# Altium PCB OIS_Anakart.PcbDoc (part 1 of 3) (continued)
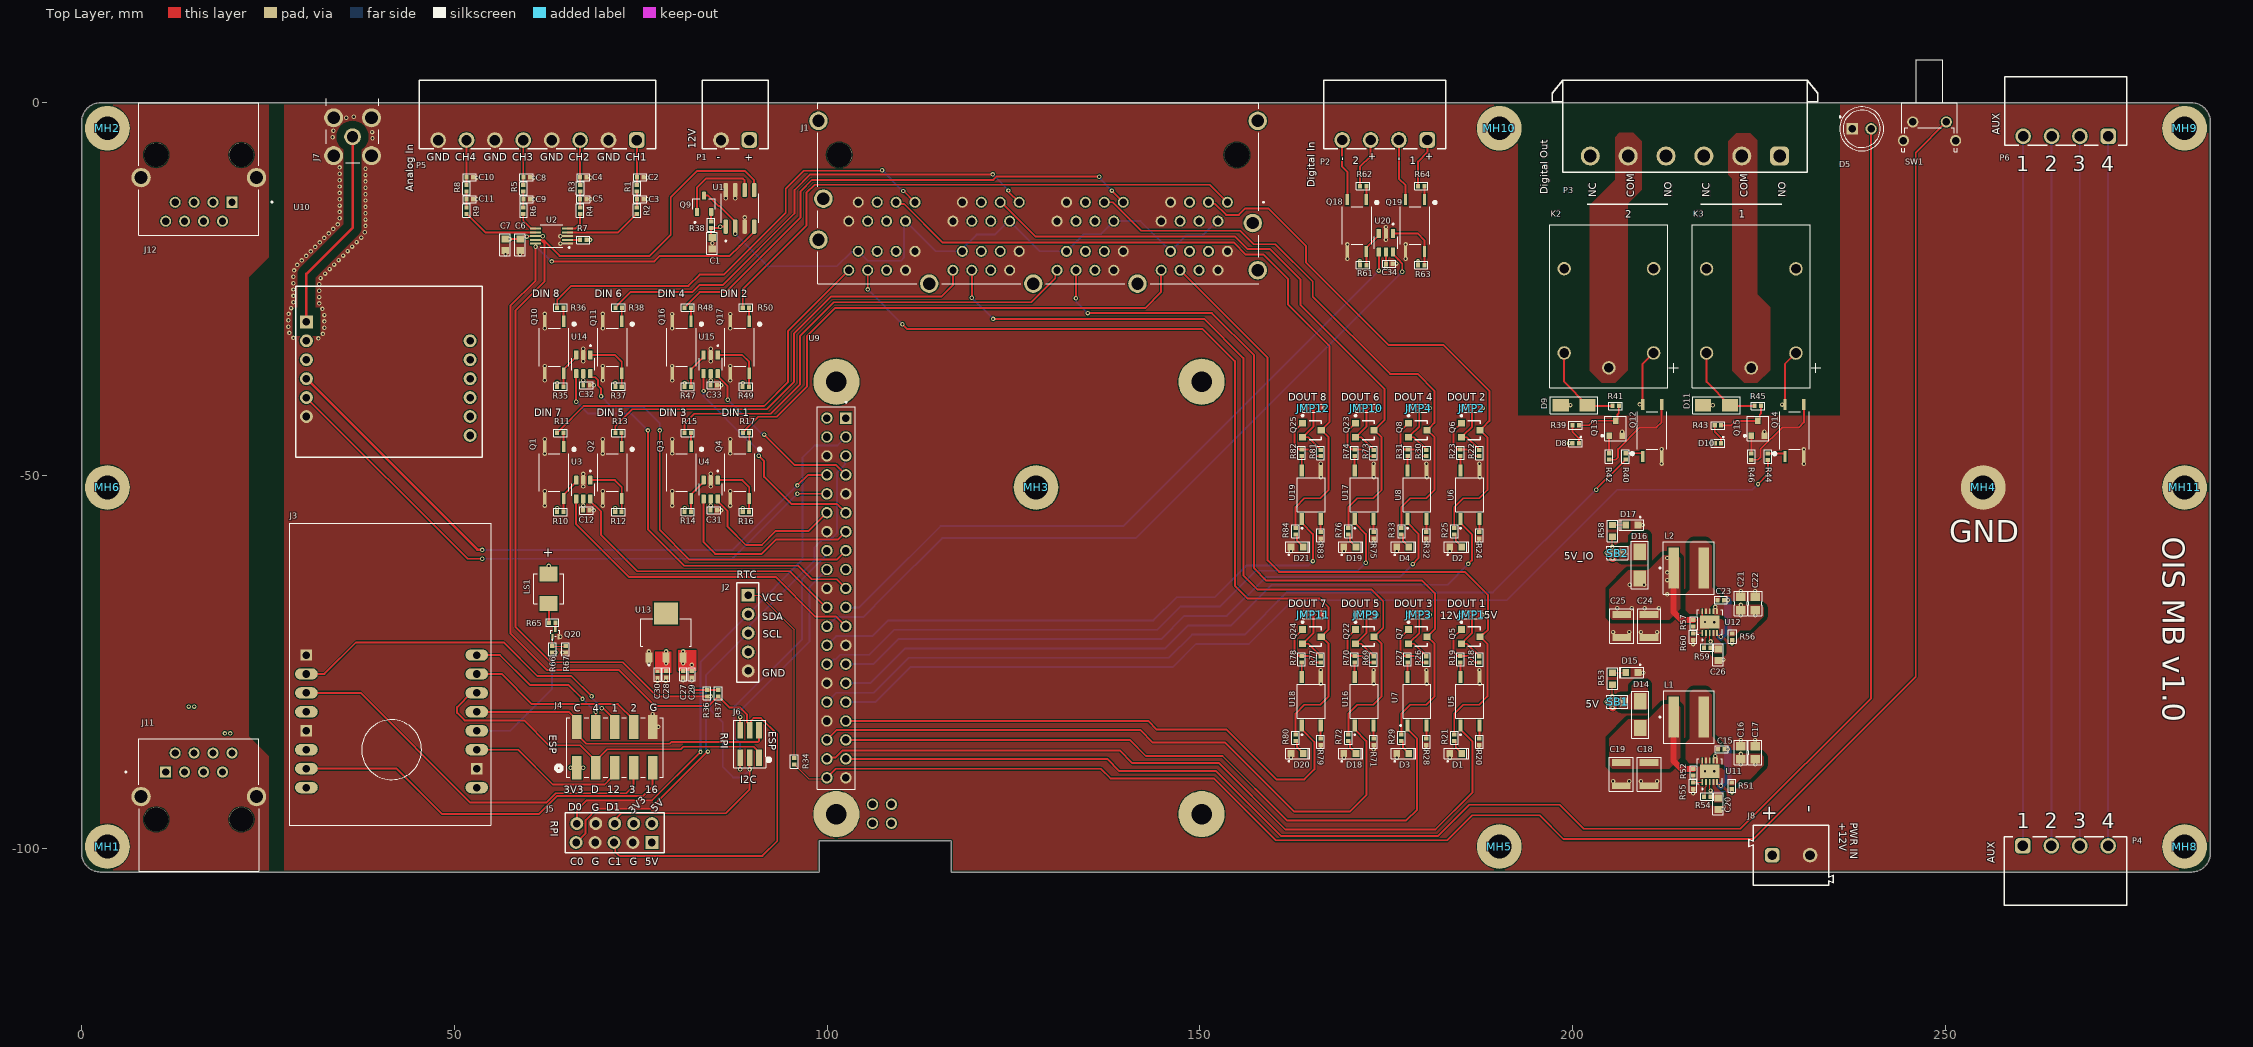
[diagram p0: Top Layer view]
## Components (designator, comment, footprint, x,y, rotation, side; value= is the part's Value field where it differs from the comment)
C1 "1uF" C0603 84.611,-18.824 r90 top (schematic designator C19)
C2 "0.1uF" C0402 74.922,-9.995 r180 top (schematic designator C20)
C3 "0.1uF" C0402 74.922,-12.934 r180 top (schematic designator C21)
C4 "0.1uF" C0402 67.302,-9.995 r180 top (schematic designator C22)
C5 "0.1uF" C0402 67.302,-12.934 r180 top (schematic designator C23)
C6 "1uF" C0603 58.838,-19.048 r90 top (schematic designator C24)
C7 "10uF" C0603 56.808,-19.048 r90 top (schematic designator C25)
C8 "0.1uF" C0402 59.682,-9.995 r180 top (schematic designator C26)
C9 "0.1uF" C0402 59.682,-12.934 r180 top (schematic designator C27)
C10 "0.1uF" C0402 52.062,-9.995 r180 top (schematic designator C28)
C11 "0.1uF" C0402 52.062,-12.934 r180 top (schematic designator C29)
C12 "0.1uF" C0402 67.718,-54.685 r180 top (schematic designator C18)
C15 "0.1uF" C0402 219.991,-86.735 r0 top (schematic designator C3)
C16 "10uF" C0805 222.596,-87.184 r90 top (schematic designator C1)
C17 "10uF" C0805 224.498,-87.184 r90 top (schematic designator C2)
C18 "22uF" C1210 210.272,-90.067 r90 top (schematic designator C4)
C19 "22uF" C1210 206.545,-90.067 r90 top (schematic designator C5)
C20 "1uF" C0603 219.57,-94.058 r90 top (schematic designator C6)
C21 "10uF" C0805 222.596,-67.184 r90 top (schematic designator C7)
C22 "10uF" C0805 224.498,-67.184 r90 top (schematic designator C8)
C23 "0.1uF" C0402 219.908,-66.712 r0 top (schematic designator C9)
C24 "22uF" C1210 210.264,-70.195 r90 top (schematic designator C10)
C25 "22uF" C1210 206.609,-70.195 r90 top (schematic designator C11)
C26 "1uF" C0603 219.57,-74.058 r90 top (schematic designator C12)
C27 "1uF" C0402 80.685,-76.671 r90 top (schematic designator C13)
C28 "1uF" C0402 78.395,-76.686 r90 top (schematic designator C14)
C29 "4.7uF" C0402 81.85,-76.658 r90 top (schematic designator C15)
C30 "4.7uF" C0402 77.249,-76.698 r90 top (schematic designator C16)
C31 "0.1uF" C0402 84.821,-54.678 r180 top (schematic designator C18)
C32 "0.1uF" C0402 67.726,-37.882 r180 top (schematic designator C18)
C33 "0.1uF" C0402 84.817,-37.888 r180 top (schematic designator C18)
C34 "0.1uF" C0402 175.415,-21.572 r180 top (schematic designator C18)
D1 "SML-LX0603GW-TR" L0603 184.349,-87.281 r180 top (schematic designator D8)
D2 "SML-LX0603GW-TR" L0603 184.349,-59.58 r180 top (schematic designator D8)
D3 "SML-LX0603GW-TR" L0603 177.249,-87.281 r180 top (schematic designator D8)
D4 "SML-LX0603GW-TR" L0603 177.249,-59.579 r180 top (schematic designator D8)
D5 "WP7113GD" LED_WP7113GD 238.809,-3.487 r0 top (schematic designator D1)
D8 "Comment" L0402_A 200.424,-45.656 r0 top (schematic designator D6)
D9 "TSSA3U60 R3G" "TAIWAN_TSSA3U60 R3G" 200.224,-40.556 r0 top (schematic designator D7)
D10 "Comment" L0402_A 219.524,-45.668 r0 top (schematic designator D6)
D11 "TSSA3U60 R3G" "TAIWAN_TSSA3U60 R3G" 219.324,-40.568 r0 top (schematic designator D7)
D14 "TSSA3U60 R3G" "TAIWAN_TSSA3U60 R3G" 209.081,-82.09 r270 top (schematic designator D2)
D15 "SML-LX0603GW-TR" L0603 207.984,-76.45 r0 top (schematic designator D3)
D16 "TSSA3U60 R3G" "TAIWAN_TSSA3U60 R3G" 209.016,-62.02 r270 top (schematic designator D4)
D17 "SML-LX0603GW-TR" L0603 207.984,-56.64 r0 top (schematic designator D5)
D18 "SML-LX0603GW-TR" L0603 170.149,-87.281 r180 top (schematic designator D8)
D19 "SML-LX0603GW-TR" L0603 170.149,-59.579 r180 top (schematic designator D8)
D20 "SML-LX0603GW-TR" L0603 163.049,-87.281 r180 top (schematic designator D8)
D21 "SML-LX0603GW-TR" L0603 163.049,-59.579 r180 top (schematic designator D8)
J1 "SS-73100-073" BEL_SS-73100-073 157.891,-24.268 r180 top (schematic designator J8)
J2 "Comment" 2.54_5P 89.41,-66.061 r270 top (schematic designator J9)
J3 "ESP32-CAM" ESP32-CAM 41.575,-81.708 r0 top (schematic designator J4)
J4 "54202-T0805LF" 10P_2.54MM_SMD 71.512,-86.469 r0 top (schematic designator J5)
J5 "Comment" 2.54_5x2P 76.492,-99.24 r180 top (schematic designator J1)
J6 "GRPB032VWQS-RC" CONN_6P_1.27MM 88.336,-87.859 r180 top (schematic designator J2)
J7 "RF2-49B-T-00-50-G-HDW" ADAMTECH_RF2-49B-T-00-50-G-HDW 36.337,-4.548 r180 top (schematic designator J3)
J8 "Comment" 691213510002 229.34,-100.941 r0 top (schematic designator J10)
J11 "SS-6488S-A-PG4-BA" SS-6488S-A-PG4-BA 15.711,-96.135 r0 top
J12 "SS-6488S-A-PG4-BA" SS-6488S-A-PG4-BA 15.711,-6.99 r180 top
JMP1 "Jumper" SB0402_3PAD 186.117,-68.681 r0 top (schematic designator JMP2)
JMP2 "Jumper" SB0402_3PAD 186.117,-40.98 r0 top
JMP3 "Jumper" SB0402_3PAD 179.017,-68.681 r0 top (schematic designator JMP2)
JMP4 "Jumper" SB0402_3PAD 179.017,-40.979 r0 top (schematic designator JMP2)
JMP9 "Jumper" SB0402_3PAD 171.917,-68.681 r0 top (schematic designator JMP2)
JMP10 "Jumper" SB0402_3PAD 171.917,-40.979 r0 top (schematic designator JMP2)
JMP11 "Jumper" SB0402_3PAD 164.817,-68.681 r0 top (schematic designator JMP2)
JMP12 "Jumper" SB0402_3PAD 164.817,-40.979 r0 top (schematic designator JMP2)
K2 "G5LE-1-CF DC12" "RELAY_G5LE-1 DC5_OMR" 204.888,-19.056 r180 top (schematic designator K1)
K3 "G5LE-1-CF DC12" "RELAY_G5LE-1 DC5_OMR" 223.988,-19.068 r180 top (schematic designator K1)
L1 "XAL6060-682MEB" CC_XAL6060-682MEB 215.593,-82.409 r0 top
L2 "XAL6060-682MEB" CC_XAL6060-682MEB 215.593,-62.409 r0 top
LS1 "CMT-4023S-SMT-TR" Buzzer 62.647,-65.198 r90 top
MH1 "Comment" m3_3.2x6#1 3.47,-99.78 r0 top
MH2 "Comment" m3_3.2x6#1 3.47,-3.42 r0 top
MH3 "Comment" m3_3.2x6#1 128.063,-51.6 r0 top
MH4 "Comment" m3_3.2x6#1 255.13,-51.6 r0 top
MH5 "Comment" m3_3.2x6#1 190.22,-99.78 r0 top
MH6 "Comment" m3_3.2x6#1 3.47,-51.6 r0 top
MH8 "Comment" m3_3.2x6#1 282.156,-99.78 r0 top
MH9 "Comment" m3_3.2x6#2 282.156,-14.42 r0 top
MH10 "Comment" m3_3.2x6#1 190.22,-3.42 r0 top
MH11 "Comment" m3_3.2x6#2 282.156,-62.6 r0 top
P1 "691322310002" 691322310002 87.675,-1.595 r180 top
P2 "691322310004" 691322310004 174.821,-1.588 r180 top
P3 "691305540006" 691305540006 215.097,-3.138 r180 top
P4 "691322310004" 691322310004 266.154,-103.084 r0 top
P5 "691322310008" 691322310008 61.15,-1.595 r180 top
P6 "691322310004" 691322310004 266.186,-1.084 r180 top
Q1 "TLP188(TPL,E" OPTOCOUPLER 63.381,-49.585 r270 top (schematic designator Q4)
Q2 "TLP188(TPL,E(TPL,E" OPTOCOUPLER 71.181,-49.585 r270 top (schematic designator Q5)
Q3 "TLP188(TPL,E" OPTOCOUPLER 80.484,-49.578 r270 top (schematic designator Q4)
Q4 "TLP188(TPL,E(TPL,E" OPTOCOUPLER 88.284,-49.578 r270 top (schematic designator Q5)
Q5 "Comment" SOT-23-3 186.349,-71.623 r270 top (schematic designator Q6)
Q6 "Comment" SOT-23-3 186.349,-43.923 r270 top
Q7 "Comment" SOT-23-3 179.249,-71.623 r270 top (schematic designator Q6)
Q8 "Comment" SOT-23-3 179.249,-43.921 r270 top (schematic designator Q6)
Q9 "AO3415A" SOT-23#1 83.503,-13.546 r90 top (schematic designator Q7)
Q10 "TLP188(TPL,E" OPTOCOUPLER 63.389,-32.782 r270 top (schematic designator Q4)
Q11 "TLP188(TPL,E(TPL,E" OPTOCOUPLER 71.189,-32.782 r270 top (schematic designator Q5)
Q12 "TLP188(TPL,E" OPTOCOUPLER 210.688,-43.956 r90 top (schematic designator Q2)
Q13 "MMBT4401-7-F" SOT-23#2 205.788,-43.656 r90 top (schematic designator Q3)
Q14 "TLP188(TPL,E" OPTOCOUPLER 229.788,-43.968 r90 top (schematic designator Q2)
Q15 "MMBT4401-7-F" SOT-23#2 224.888,-43.668 r90 top (schematic designator Q3)
Q16 "TLP188(TPL,E" OPTOCOUPLER 80.48,-32.788 r270 top (schematic designator Q4)
Q17 "TLP188(TPL,E(TPL,E" OPTOCOUPLER 88.28,-32.788 r270 top (schematic designator Q5)
Q18 "TLP188(TPL,E" OPTOCOUPLER 171.078,-16.472 r270 top (schematic designator Q4)
Q19 "TLP188(TPL,E(TPL,E" OPTOCOUPLER 178.878,-16.472 r270 top (schematic designator Q5)
Q20 "NTK3043NT1G" SOT-723 63.545,-71.133 r0 top (schematic designator Q15)
Q22 "Comment" SOT-23-3 172.149,-71.623 r270 top (schematic designator Q6)
Q23 "Comment" SOT-23-3 172.149,-43.922 r270 top (schematic designator Q6)
Q24 "Comment" SOT-23-3 165.049,-71.623 r270 top (schematic designator Q6)
Q25 "Comment" SOT-23-3 165.049,-43.921 r270 top (schematic designator Q6)
R1 "200R" R0402 74.485,-11.463 r90 top (schematic designator R27)
R2 "200R" R0402 74.485,-14.454 r90 top (schematic designator R28)
R3 "200R" R0402 66.865,-11.463 r90 top (schematic designator R29)
R4 "200R" R0402 66.865,-14.454 r90 top (schematic designator R30)
R5 "200R" R0402 59.245,-11.463 r90 top (schematic designator R31)
R6 "200R" R0402 59.245,-14.454 r90 top (schematic designator R32)
R7 "200R" R0402 67.297,-18.399 r180 top (schematic designator R33)
R8 "200R" R0402 51.625,-11.463 r90 top (schematic designator R34)
R9 "200R" R0402 51.625,-14.454 r90 top (schematic designator R35)
R10 "1K" R0402 64.219,-54.885 r180 top (schematic designator R19)
R11 "1K" R0402 64.219,-44.285 r180 top (schematic designator R20)
R12 "1K" R0402 72.014,-54.885 r180 top (schematic designator R21)
R13 "1K" R0402 72.019,-44.285 r180 top (schematic designator R22)
R14 "1K" R0402 81.322,-54.878 r180 top (schematic designator R19)
R15 "1K" R0402 81.322,-44.278 r180 top (schematic designator R20)
R16 "1K" R0402 89.118,-54.878 r180 top (schematic designator R21)
R17 "1K" R0402 89.122,-44.278 r180 top (schematic designator R22)
R18 "1K" R0402 187.519,-74.681 r270 top (schematic designator R23)
R19 "1K" R0402 184.979,-74.649 r90 top (schematic designator R24)
R20 "1K" R0402 187.519,-85.713 r90 top (schematic designator R25)
R21 "4.7K" R0402 184.149,-85.181 r90 top (schematic designator R26)
R22 "1K" R0402 187.519,-46.98 r270 top (schematic designator R23)
R23 "1K" R0402 184.979,-46.948 r90 top (schematic designator R24)
R24 "1K" R0402 187.519,-58.012 r90 top (schematic designator R25)
R25 "4.7K" R0402 184.149,-57.48 r90 top (schematic designator R26)
R26 "1K" R0402 180.419,-74.681 r270 top (schematic designator R23)
R27 "1K" R0402 177.879,-74.649 r90 top (schematic designator R24)
R28 "1K" R0402 180.419,-85.713 r90 top (schematic designator R25)
R29 "4.7K" R0402 177.049,-85.181 r90 top (schematic designator R26)
R30 "1K" R0402 180.419,-46.979 r270 top (schematic designator R23)
R31 "1K" R0402 177.879,-46.947 r90 top (schematic designator R24)
R32 "1K" R0402 180.419,-58.011 r90 top (schematic designator R25)
R33 "4.7K" R0402 177.049,-57.479 r90 top (schematic designator R26)
R34 "1K" R0402 95.6,-88.36 r270 top (schematic designator R1)
R35 "1K" R0402 64.227,-38.082 r180 top (schematic designator R19)
R36 "1K" R0402 83.9,-79.2 r270 top
R36 "1K" R0402 64.227,-27.482 r180 top (schematic designator R20)
R37 "1K" R0402 85.4,-79.2 r270 top
R37 "1K" R0402 72.022,-38.082 r180 top (schematic designator R21)
R38 "1K" R0402 84.453,-16.368 r90 top
R38 "1K" R0402 72.027,-27.482 r180 top (schematic designator R22)
R39 "1K" R0402 200.424,-43.256 r180 top (schematic designator R15)
R40 "10K" R0402 207.124,-47.448 r90 top (schematic designator R16)
R41 "1K" R0402 205.788,-40.656 r180 top (schematic designator R17)
R42 "1K" R0402 204.913,-47.448 r90 top (schematic designator R18)
R43 "1K" R0402 219.524,-43.268 r180 top (schematic designator R15)
R44 "10K" R0402 226.224,-47.46 r90 top (schematic designator R16)
R45 "1K" R0402 224.888,-40.668 r180 top (schematic designator R17)
R46 "1K" R0402 224.013,-47.46 r90 top (schematic designator R18)
R47 "1K" R0402 81.318,-38.088 r180 top (schematic designator R19)
R48 "1K" R0402 81.318,-27.488 r180 top (schematic designator R20)
R49 "1K" R0402 89.113,-38.088 r180 top (schematic designator R21)
R50 "1K" R0402 89.118,-27.488 r180 top (schematic designator R22)
R51 "100K" R0402 221.38,-91.626 r90 top (schematic designator R5)
R52 "27K" R0402 216.216,-89.828 r90 top (schematic designator R6)
R53 "330R" R0603 205.382,-77.25 r270 top (schematic designator R7)
R54 "100K" R0402 218.085,-93.081 r180 top (schematic designator R8)
R55 "5.1K" R0402 216.182,-91.626 r270 top (schematic designator R9)
R56 "100K" R0402 221.441,-71.606 r90 top (schematic designator R10)
R57 "27K" R0402 216.216,-69.828 r90 top (schematic designator R11)
R58 "330R" R0603 205.382,-57.44 r270 top (schematic designator R12)
R59 "100K" R0402 218.085,-73.081 r180 top (schematic designator R13)
R60 "5.1K" R0402 216.182,-71.626 r270 top (schematic designator R14)
R61 "1K" R0402 171.916,-21.772 r180 top (schematic designator R19)
R62 "1K" R0402 171.916,-11.172 r180 top (schematic designator R20)
R63 "1K" R0402 179.712,-21.772 r180 top (schematic designator R21)
R64 "1K" R0402 179.716,-11.172 r180 top (schematic designator R22)
R65 "1K" R0402 63.113,-69.732 r180 top (schematic designator R2)
R66 "1K" R0402 63.145,-73.315 r90 top (schematic designator R3)
R67 "1K" R0402 64.931,-73.315 r90 top (schematic designator R4)
R69 "1K" R0402 173.319,-74.681 r270 top (schematic designator R23)
R70 "1K" R0402 170.779,-74.649 r90 top (schematic designator R24)
R71 "1K" R0402 173.319,-85.713 r90 top (schematic designator R25)
R72 "4.7K" R0402 169.949,-85.181 r90 top (schematic designator R26)
R73 "1K" R0402 173.319,-46.979 r270 top (schematic designator R23)
R74 "1K" R0402 170.779,-46.947 r90 top (schematic designator R24)
R75 "1K" R0402 173.319,-58.011 r90 top (schematic designator R25)
R76 "4.7K" R0402 169.949,-57.479 r90 top (schematic designator R26)
R77 "1K" R0402 166.219,-74.681 r270 top (schematic designator R23)
R78 "1K" R0402 163.679,-74.649 r90 top (schematic designator R24)
R79 "1K" R0402 166.219,-85.713 r90 top (schematic designator R25)
R80 "4.7K" R0402 162.849,-85.181 r90 top (schematic designator R26)
R81 "1K" R0402 166.219,-46.979 r270 top (schematic designator R23)
R82 "1K" R0402 163.679,-46.947 r90 top (schematic designator R24)
R83 "1K" R0402 166.219,-58.011 r90 top (schematic designator R25)
R84 "4.7K" R0402 162.849,-57.479 r90 top (schematic designator R26)
SB1 "Jumper" SB.0805 206.271,-80.352 r180 top
SB2 "Jumper" SB.0805 206.271,-60.407 r180 top
SW1 "431256083716" 4312560837x6 247.91,-1.692 r180 top
U1 "DS2482S-100+" SOIC127P600X175-8N 88.307,-14.163 r90 top (schematic designator U8)
U2 "ADS1115IDGST" ADS1115IDGST 63.048,-17.886 r180 top (schematic designator U9)
U3 "SN74LVC2G14DBVR" SOT95P280X145-6N 67.281,-51.885 r270 top (schematic designator U6)
U4 "SN74LVC2G14DBVR" SOT95P280X145-6N 84.384,-51.878 r270 top (schematic designator U6)
U5 "TLP183(BLL-TPL,E" TLP183(BLL-TPL,E 186.249,-80.281 r90 top (schematic designator U7)
U6 "TLP183(BLL-TPL,E" TLP183(BLL-TPL,E 186.249,-52.58 r90 top (schematic designator U7)
U7 "TLP183(BLL-TPL,E" TLP183(BLL-TPL,E 179.149,-80.281 r90 top
U8 "TLP183(BLL-TPL,E" TLP183(BLL-TPL,E 179.149,-52.579 r90 top (schematic designator U7)
U9 "RASPBERRY_PI_4B_4GB_1" MODULE_RASPBERRY_PI_4B_4GB_2 125.11,-67.04 r180 top (schematic designator U1)
U10 "Comment" SIM800C_EVAL 53.605,-31.928 r180 top (schematic designator U2)
U11 "RT8299ZQW" RT8299ZQW 218.42,-89.678 r90 top (schematic designator U3)
U12 "RT8299ZQW" RT8299ZQW 218.42,-69.678 r90 top (schematic designator U4)
U13 "AMS1117-3.3" AMS1117-3.3 78.395,-71.065 r0 top (schematic designator U5)
U14 "SN74LVC2G14DBVR" SOT95P280X145-6N 67.289,-35.082 r270 top (schematic designator U6)
U15 "SN74LVC2G14DBVR" SOT95P280X145-6N 84.38,-35.088 r270 top (schematic designator U6)
U16 "TLP183(BLL-TPL,E" TLP183(BLL-TPL,E 172.049,-80.281 r90 top (schematic designator U7)
U17 "TLP183(BLL-TPL,E" TLP183(BLL-TPL,E 172.049,-52.579 r90 top (schematic designator U7)
U18 "TLP183(BLL-TPL,E" TLP183(BLL-TPL,E 164.949,-80.281 r90 top (schematic designator U7)
U19 "TLP183(BLL-TPL,E" TLP183(BLL-TPL,E 164.949,-52.579 r90 top (schematic designator U7)
U20 "SN74LVC2G14DBVR" SOT95P280X145-6N 174.978,-18.772 r270 top (schematic designator U6)

## Footprints (in the part's own frame and the unit in brackets; to place one, negate y for a bottom-side part, rotate by r counter-clockwise, add the part's x,y. Pads: shape width x height; smd on the part's side, far side on the other; paste and mask are expansions set on the pad)
2.54_5P [mm]
  rect 1.725x1.725 hole 1.02: 1(0,0)
  round 1.725 hole 1.02: 2(2.54,0) 3(5.08,0) 4(7.62,0) 5(10.16,0)
  silkscreen extent -1.64,-1.5 11.65,1.4
2.54_5x2P [mm]
  rect 1.725x1.725 hole 1.02: 1(0,0)
  round 1.725 hole 1.02: 2(0,-2.54) 3(2.54,0) 4(2.44,-2.54) 5(5.08,0) 6(4.98,-2.54) 7(7.62,0) 8(7.52,-2.54) 9(10.16,0) 10(10.06,-2.54)
  silkscreen extent -1.64,-3.98 11.65,1.4
10P_2.54MM_SMD [mil]
  rect 50x125 smd paste+0 mask+0: 1(-200,-107.5) 2(-200,107.5) 3(-100,-107.5) 4(-100,107.5) 5(0,-107.5) 6(0,107.5) 7(100,-107.5) 8(100,107.5) 9(200,-107.5) 10(200,107.5)
  silkscreen extent -310,-158 255,158, body extent -250,-152 250,152, height 390
4312560837x6 [mm] "6x6mm right angle Tact Switch with ground terminal, THT version"
  round 1.5 hole 1: 1(-2.25,0.875) 2(2.25,0.875) G1(-3.5,3.375) G2(3.5,3.375)
  silkscreen extent -3.7,-7.48 3.7,4.87, body extent -4.2,-7.48 4.2,4.87, height 7.25
691213510002 [mm] "Serie 2135 - 5.08 mm _ 2 pins"
  rrect50% 1.95x1.95 hole 1.3: 1(-2.54,0)
  round 1.95 hole 1.3: 2(2.54,0)
  silkscreen extent -5.68,-4.05 5.68,4.05, body extent -5.68,-4.05 5.68,4.05, height 10.1
691305540006 [mm] "5,08mm - PCB Header Horizontal Entry with Plastic Latches - 06p"
  rrect50% 2.55x2.55 hole 1.7: 1(-12.7,4)
  round 2.55 hole 1.7: 2(-7.62,4) 3(-2.54,4) 4(2.54,4) 5(7.62,4) 6(12.7,4)
  silkscreen extent -17.81,-6.15 17.81,6.15, body extent -17.64,-6 17.64,6, height 8.63
691322310002 [mm] "Horizontal PCB Header, pitch 3.81mm, 02p"
  rrect50% 2.1x2.1 hole 1.4: 1(-1.905,3.4)
  round 2.1 hole 1.4: 2(1.905,3.4)
  silkscreen extent -4.4,-4.6 4.41,4.6, body extent -4.4,-4.6 4.41,4.6, height 7.25
691322310004 [mm] "Horizontal PCB Header, pitch 3.81mm, 04p"
  rrect50% 2.1x2.1 hole 1.4: 1(-5.715,3.4)
  round 2.1 hole 1.4: 2(-1.905,3.4) 3(1.905,3.4) 4(5.715,3.4)
  silkscreen extent -8.21,-4.6 8.22,4.6, body extent -8.21,-4.6 8.21,4.6, height 7.25
691322310008 [mm] "Horizontal PCB Header, pitch 3.81mm, 08p"
  rrect50% 2.1x2.1 hole 1.4: 1(-13.335,3.4)
  round 2.1 hole 1.4: 2(-9.525,3.4) 3(-5.715,3.4) 4(-1.905,3.4) 5(1.905,3.4) 6(5.715,3.4) 7(9.525,3.4) 8(13.335,3.4)
  silkscreen extent -15.83,-4.6 15.84,4.6, body extent -15.83,-4.6 15.83,4.6, height 7.25
ADAMTECH_RF2-49B-T-00-50-G-HDW [mm]
  round 2.25 hole 1.5: 1(0,0)
  round 2.55 hole 1.7: SH1(-2.54,2.54) SH2(2.54,2.54) SH3(2.54,-2.54) SH4(-2.54,-2.54)
  silkscreen extent -3.5,-5.07 3.5,3.5, body extent -5.1,-16.47 5.1,3.5, height 11.45
ADS1115IDGST [mm]
  rrect25% 1.47x0.28 smd: 1(-2.15,1) 2(-2.15,0.5) 3(-2.15,0) 4(-2.15,-0.5) 5(-2.15,-1) 6(2.15,-1) 7(2.15,-0.5) 8(2.15,0) 9(2.15,0.5) 10(2.15,1)
  silkscreen extent -2.46,-1.5 1.5,1.6, body extent -2.45,-1.5 2.45,1.5, height 1.1
AMS1117-3.3 [mm]
  rrect15% 0.93x1.31 smd: 1(-2.29,-3.345) 2(0,-3.345) 3(2.29,-3.345)
  rect 3.25x3 smd: 4(0,2.55)
  silkscreen extent -3.36,-4.47 3.36,1.86, body extent -3.25,-3.5 3.25,3.5, height 1.77
BEL_SS-73100-073 [mm]
  round 1.478 hole 0.97: 1_P1(4.18,-10.928) 1_P2(13.07,-1.808) 1_P3(18.15,-10.928) 1_P4(27.04,-1.808) 1_P5(32.12,-10.928) 1_P6(41.01,-1.808) 1_P7(46.09,-10.928) 1_P8(54.98,-1.808) 2_P1(5.45,-8.388) 2_P2(11.8,-4.348) 2_P3(19.42,-8.388) 2_P4(25.77,-4.348) 2_P5(33.39,-8.388) 2_P6(39.74,-4.348) 2_P7(47.36,-8.388) 2_P8(53.71,-4.348) 3_P1(6.72,-10.928) 3_P2(10.53,-1.808) 3_P3(20.69,-10.928) 3_P4(24.5,-1.808) 3_P5(34.66,-10.928) 3_P6(38.47,-1.808) 3_P7(48.63,-10.928) 3_P8(52.44,-1.808) 4_P1(7.99,-8.388) 4_P2(9.26,-4.348) 4_P3(21.96,-8.388) 4_P4(23.23,-4.348) 4_P5(35.93,-8.388) 4_P6(37.2,-4.348) 4_P7(49.9,-8.388) 4_P8(51.17,-4.348) 5_P1(9.26,-10.928) 5_P2(7.99,-1.808) 5_P3(23.23,-10.928) 5_P4(21.96,-1.808) 5_P5(37.2,-10.928) 5_P6(35.93,-1.808) 5_P7(51.17,-10.928) 5_P8(49.9,-1.808) 6_P1(10.53,-8.388) 6_P2(6.72,-4.348) 6_P3(24.5,-8.388) 6_P4(20.69,-4.348) 6_P5(38.47,-8.388) 6_P6(34.66,-4.348) 6_P7(52.44,-8.388) 6_P8(48.63,-4.348) 7_P1(11.8,-10.928) 7_P2(5.45,-1.808) 7_P3(25.77,-10.928) 7_P4(19.42,-1.808) 7_P5(39.74,-10.928) 7_P6(33.39,-1.808) 7_P7(53.71,-10.928) 7_P8(47.36,-1.808) 8_P1(13.07,-8.388) 8_P2(4.18,-4.348) 8_P3(27.04,-8.388) 8_P4(18.15,-4.348) 8_P5(41.01,-8.388) 8_P6(32.12,-4.348) 8_P7(54.98,-8.388) 8_P8(46.09,-4.348)
  round 2.475 hole 1.65: S1(0.115,-1.808) S2(59.045,-5.898) S3(0.775,-8.138) S4(58.385,-11.408) S5(0.115,-21.848) S6(59.045,-21.848) S7(16.25,-0.008) S8(30.22,-0.008) S9(44.19,-0.008)
  round 3.33 hole 3.33 unplated: ""(2.91,-17.278) ""(56.25,-17.278)
  silkscreen extent -0.77,-24.27 59.16,0, body extent -1.24,-28.02 60.35,0.12, height 26.74
Buzzer [mm]
  rect 2x2.4 smd: N(-2,0) P(2,0)
  silkscreen extent -2,-2 2,2, body extent -2,-2 2,2, height 2
C0402 [mm]
  rect 0.53x0.6 smd: 1(-0.437,0) 2(0.437,0)
  silkscreen extent -0.89,-0.48 0.89,0.48, body extent -0.5,-0.28 0.5,0.27, height 0.48
C0603 [mm]
  rect 0.92x0.98 smd: 1(-0.775,0) 2(0.775,0)
  silkscreen extent -1.47,-0.69 1.47,0.74, body extent -0.77,-0.46 0.83,0.44, height 0.79
C0805 [mil]
  rect 45x50 smd mask+2: 1(-35,0) 2(35,0)
  silkscreen extent -65,-35 65,35, body extent -39,-28 39,29, height 51
C1210 [mm]
  rect 0.9x2.5 smd: 1(-1.55,0) 2(1.55,0)
  silkscreen extent -2.3,-1.6 2.3,1.6, body extent -1.6,-1.25 1.6,1.25, height 1.8
CC_XAL6060-682MEB [mm]
  rect 1.43x5.5 smd: 1(-2.02,0) 2(2.02,0)
  silkscreen extent -3.95,-3.51 3.4,3.53, body extent -3.3,-3.43 3.3,3.43, height 2.54
CONN_6P_1.27MM [mil]
  rect 30x87 smd paste+0 mask+0: 1(0,0) 2(0,-145) 3(-50,0) 4(-50,-145) 5(-100,0) 6(-100,-145)
  silkscreen extent -159,-198 35,53, body extent -115,-187 35,42, height 190
ESP32-CAM [mil]
  rect 60x60 / inner round 60 / far side rect 60x60 hole 40: P1(-450,300) P5(-450,-100) P10(450,-300)
  oval 120x60 hole 40: P2(-450,200) P3(-450,100) P4(-450,0) P6(-450,-200) P7(-450,-300) P8(-450,-400) P9(450,-400) P11(450,-200) P12(450,-100) P13(450,0) P14(450,100) P15(450,200) P16(450,300)
  silkscreen extent -540,-600 525,995, body extent -540,-602 523,992, height 751
L0402_A [mm]
  rect 0.54x0.6 smd: A(-0.432,0) C(0.432,0)
  silkscreen extent -0.89,-0.51 0.89,0.86
L0603 [mm]
  rect 0.89x0.93 smd: A(-0.814,0) C(0.814,0)
  silkscreen extent -1.73,-0.71 1.52,1.12, body extent -0.77,-0.37 0.83,0.43, height 0.8
LED_WP7113GD [mm]
  round 1.508 hole 1: A(1.27,0)
  rect 1.508x1.508 hole 1: C(-1.27,0)
  silkscreen extent -3.03,-2.95 2.95,2.95, body extent -2.95,-2.95 2.5,2.95, height 9.6
m3_3.2x6#1 [mm]
  round 6 hole 3.2: 1(-0.025,0)
m3_3.2x6#2 [mm]
  round 6 hole 3.2: 1(-0.025,11)
MODULE_RASPBERRY_PI_4B_4GB_2 [mil]
  rect 60x60 / inner round 60 / far side rect 60x60 hole 40: 1(889.57,-974.21)
  round 60 hole 40: 2(989.57,-974.21) 3(889.57,-874.21) 4(989.57,-874.21) 5(889.57,-774.21) 6(989.57,-774.21) 7(889.57,-674.21) 8(989.57,-674.21) 9(889.57,-574.21) 10(989.57,-574.21) 11(889.57,-474.21) 12(989.57,-474.21) 13(889.57,-374.21) 14(989.57,-374.21) 15(889.57,-274.21) 16(989.57,-274.21) 17(889.57,-174.21) 18(989.57,-174.21) 19(889.57,-74.21) 20(989.57,-74.21) 21(889.57,25.79) 22(989.57,25.79) 23(889.57,125.79) 24(989.57,125.79) 25(889.57,225.79) 26(989.57,225.79) 27(889.57,325.79) 28(989.57,325.79) 29(889.57,425.79) 30(989.57,425.79) 31(889.57,525.79) 32(989.57,525.79) 33(889.57,625.79) 34(989.57,625.79) 35(889.57,725.79) 36(989.57,725.79) 37(889.57,825.79) 38(989.57,825.79) 39(889.57,925.79) 40(989.57,925.79) 41(648.5,1165.94) 42(748.5,1165.94) 43(648.5,1065.94) 44(748.5,1065.94)
  round 244.09 hole 108.27: S1(939.57,-1165.94) S2(939.57,1117.52) S3(-989.57,1117.52) S4(-989.57,-1165.94)
  silkscreen extent 840,-1062 1040,986, body extent -1198,-1311 1085,2146, height 335
OPTOCOUPLER [mm]
  rect 1.508x0.456 smd paste+0 mask+0: 1(-3.492,1.27) 3(-3.492,-1.27) 4(3.492,-1.27) 6(3.492,1.27)
  silkscreen extent -3.26,-1.98 2.53,2.83, body extent -3.25,-1.85 3.75,1.85, height 2.2
R0402 [mm]
  rect 0.54x0.6 smd: 1(-0.432,0) 2(0.432,0)
  silkscreen extent -0.89,-0.51 0.89,0.51, body extent -0.5,-0.25 0.5,0.25, height 0.4
R0603 [mm]
  rect 0.87x0.98 smd: 1(-0.8,0) 2(0.8,0)
  silkscreen extent -1.45,-0.69 1.45,0.69, body extent -0.8,-0.4 0.8,0.4, height 0.55
"RELAY_G5LE-1 DC5_OMR" [mm]
  round 1.808 / inner round 1.524 / far side round 1.808 hole 1.3 paste-0.904 mask+0: 1(0,16.5) 2(-6,14.5) 3(-6,3.2) 4(6,3.2) 5(6,14.5)
  silkscreen extent -9.32,-2.68 7.93,19.18, body extent -8.25,-3.2 8.25,19.3, height 19
RT8299ZQW [mil]
  rect 30x10 smd paste+0 mask+0: 1(-57,39.38) 2(-57,19.69) 3(-57,0) 4(-57,-19.69) 5(-57,-39.38) 6(57,-39.38) 7(57,-19.69) 8(57,0) 9(57,19.69) 10(57,39.38)
  rect 69x104 smd paste+0 mask+0: 11(0,0)
  silkscreen extent -98,-65 65,65, body extent -60,-60 60,60, height 32
SB0402_3PAD [mm]
  round 0.1 smd: 1(-0.508,0) 2(0.432,0) 3(1.296,0)
  Top Layer region: 1.626,-0.33 1.626,0.33 0.896,0.33 1.221,0.009 0.904,-0.33 1.249,-0.33
  Top Layer region: 0.56,-0.33 0.893,0.021 0.564,0.33 0.332,0.33 0.332,-0.33
  Top Layer region: 0.564,-0.329 0.564,0.331 -0.033,0.331 0.293,0.01 -0.024,-0.329 0.32,-0.329
  Top Layer region: -0.38,-0.33 -0.046,0.021 -0.376,0.33 -0.784,0.331 -0.784,-0.33
  silkscreen extent -0.97,-0.51 1.78,0.51
SB.0805 [mil]
  rrect50% 45x50 smd mask+2: 1(-20,0) 2(35,0)
  silkscreen extent -45,-35 65,35
SIM800C_EVAL [mm]
  rect 1.725x1.725 hole 1.02: 1(23.46,-2.54)
  round 1.725 hole 1.02: 2(23.46,0) 3(23.46,2.54) 4(23.46,5.08) 5(23.46,7.62) 6(23.46,10.16) 7(1.5,12.7) 8(1.5,10.16) 9(1.5,7.62) 10(1.5,5.08) 11(1.5,2.54) 12(1.5,0)
  silkscreen extent -0.1,-7.35 24.9,15.65, body extent -0.1,-7.46 24.9,15.65, height 11.5
SOIC127P600X175-8N [mm]
  rrect50% 1.9x0.6 smd: 1(-2.455,1.905) 2(-2.455,0.635) 3(-2.455,-0.635) 4(-2.455,-1.905) 5(2.455,-1.905) 6(2.455,-0.635) 7(2.455,0.635) 8(2.455,1.905)
  silkscreen extent -4.49,-2.52 1.95,2.52, body extent -3,-2.45 3,2.45, height 1.75
SOT95P280X145-6N [mm]
  rrect25% 1.21x0.58 smd: 1(-1.255,0.95) 2(-1.255,0) 3(-1.255,-0.95) 4(1.255,-0.95) 5(1.255,0) 6(1.255,0.95)
  silkscreen extent -2.6,-1.56 0.8,1.56
SOT-23#1 [mm]
  rrect25% 1.04x0.56 smd: 1(-1.095,0.95) 2(-1.095,-0.95) 3(1.095,0)
  silkscreen extent -2.6,-1.5 0.7,1.5, body extent -1.15,-1.45 1.15,1.45, height 1.1
SOT-23#2 [mm]
  rect 0.85x0.75 smd: 1(-1,0.875) 2(-1,-0.875) 3(1,0)
  silkscreen extent -1.68,-1.45 1.6,1.9, body extent -1.32,-1.52 1.32,1.52, height 1.12
SOT-23-3 [mm] "SOT-23-3 (standard pin numbering)"
  rect 0.9x0.95 smd: 1(-0.95,-1.25) 2(0.95,-1.25) 3(0,1.25)
  silkscreen extent -2.07,-1.37 1.3,1.25, body extent -1.5,-1.28 1.5,1.22, height 1.06
SOT-723 [mm]
  rect 0.27x0.762 smd: 1(-0.4,-0.49) 2(0.4,-0.49)
  rect 0.36x0.762 smd: 3(0,0.49)
  silkscreen extent -0.6,-0.95 0.6,0.4, body extent -0.6,-0.72 0.6,0.71, height 1.1
SS-6488S-A-PG4-BA [mm]
  rect 1.478x1.478 hole 0.97: 1(-4.445,6.35)
  round 1.478 hole 0.97: 2(-3.175,8.89) 3(-1.905,6.35) 4(-0.635,8.89) 5(0.635,6.35) 6(1.905,8.89) 7(3.175,6.35) 8(4.445,8.89)
  round 2.595 hole 1.73: S1(-7.745,3.05) S2(7.745,3.05)
  round 3.25 hole 3.25 unplated: ""(-5.715,0) ""(5.715,0)
  silkscreen extent -9.89,-6.99 8.07,10.8, body extent -9.04,-10.76 8.94,10.28, height 14.81
"TAIWAN_TSSA3U60 R3G" [mm]
  rect 2.17x1.69 smd: A(1.795,0) C(-1.795,0)
  silkscreen extent -3.17,-1.14 3.17,1.14, body extent -2.6,-1.36 2.6,1.36, height 2.67
TLP183(BLL-TPL,E [mm]
  rrect14% 1.61x0.57 smd: 1(-3.25,1.27) 3(-3.25,-1.27) 4(3.25,-1.27) 6(3.25,1.27)
  silkscreen extent -4.6,-1.88 2.3,1.88, body extent -3.44,-1.85 3.56,1.85, height 2.2